# Altium PCB PCB1.PcbDoc (part 2 of 2)
Units mm, origin at the board's own origin, x right, y up, seen from the top; angles counter-clockwise.
Board outline 209.98 x 130 mm, 2 copper layers (Top Layer, Bottom Layer); 182 components, 114 nets, 601 pads, 525 vias.
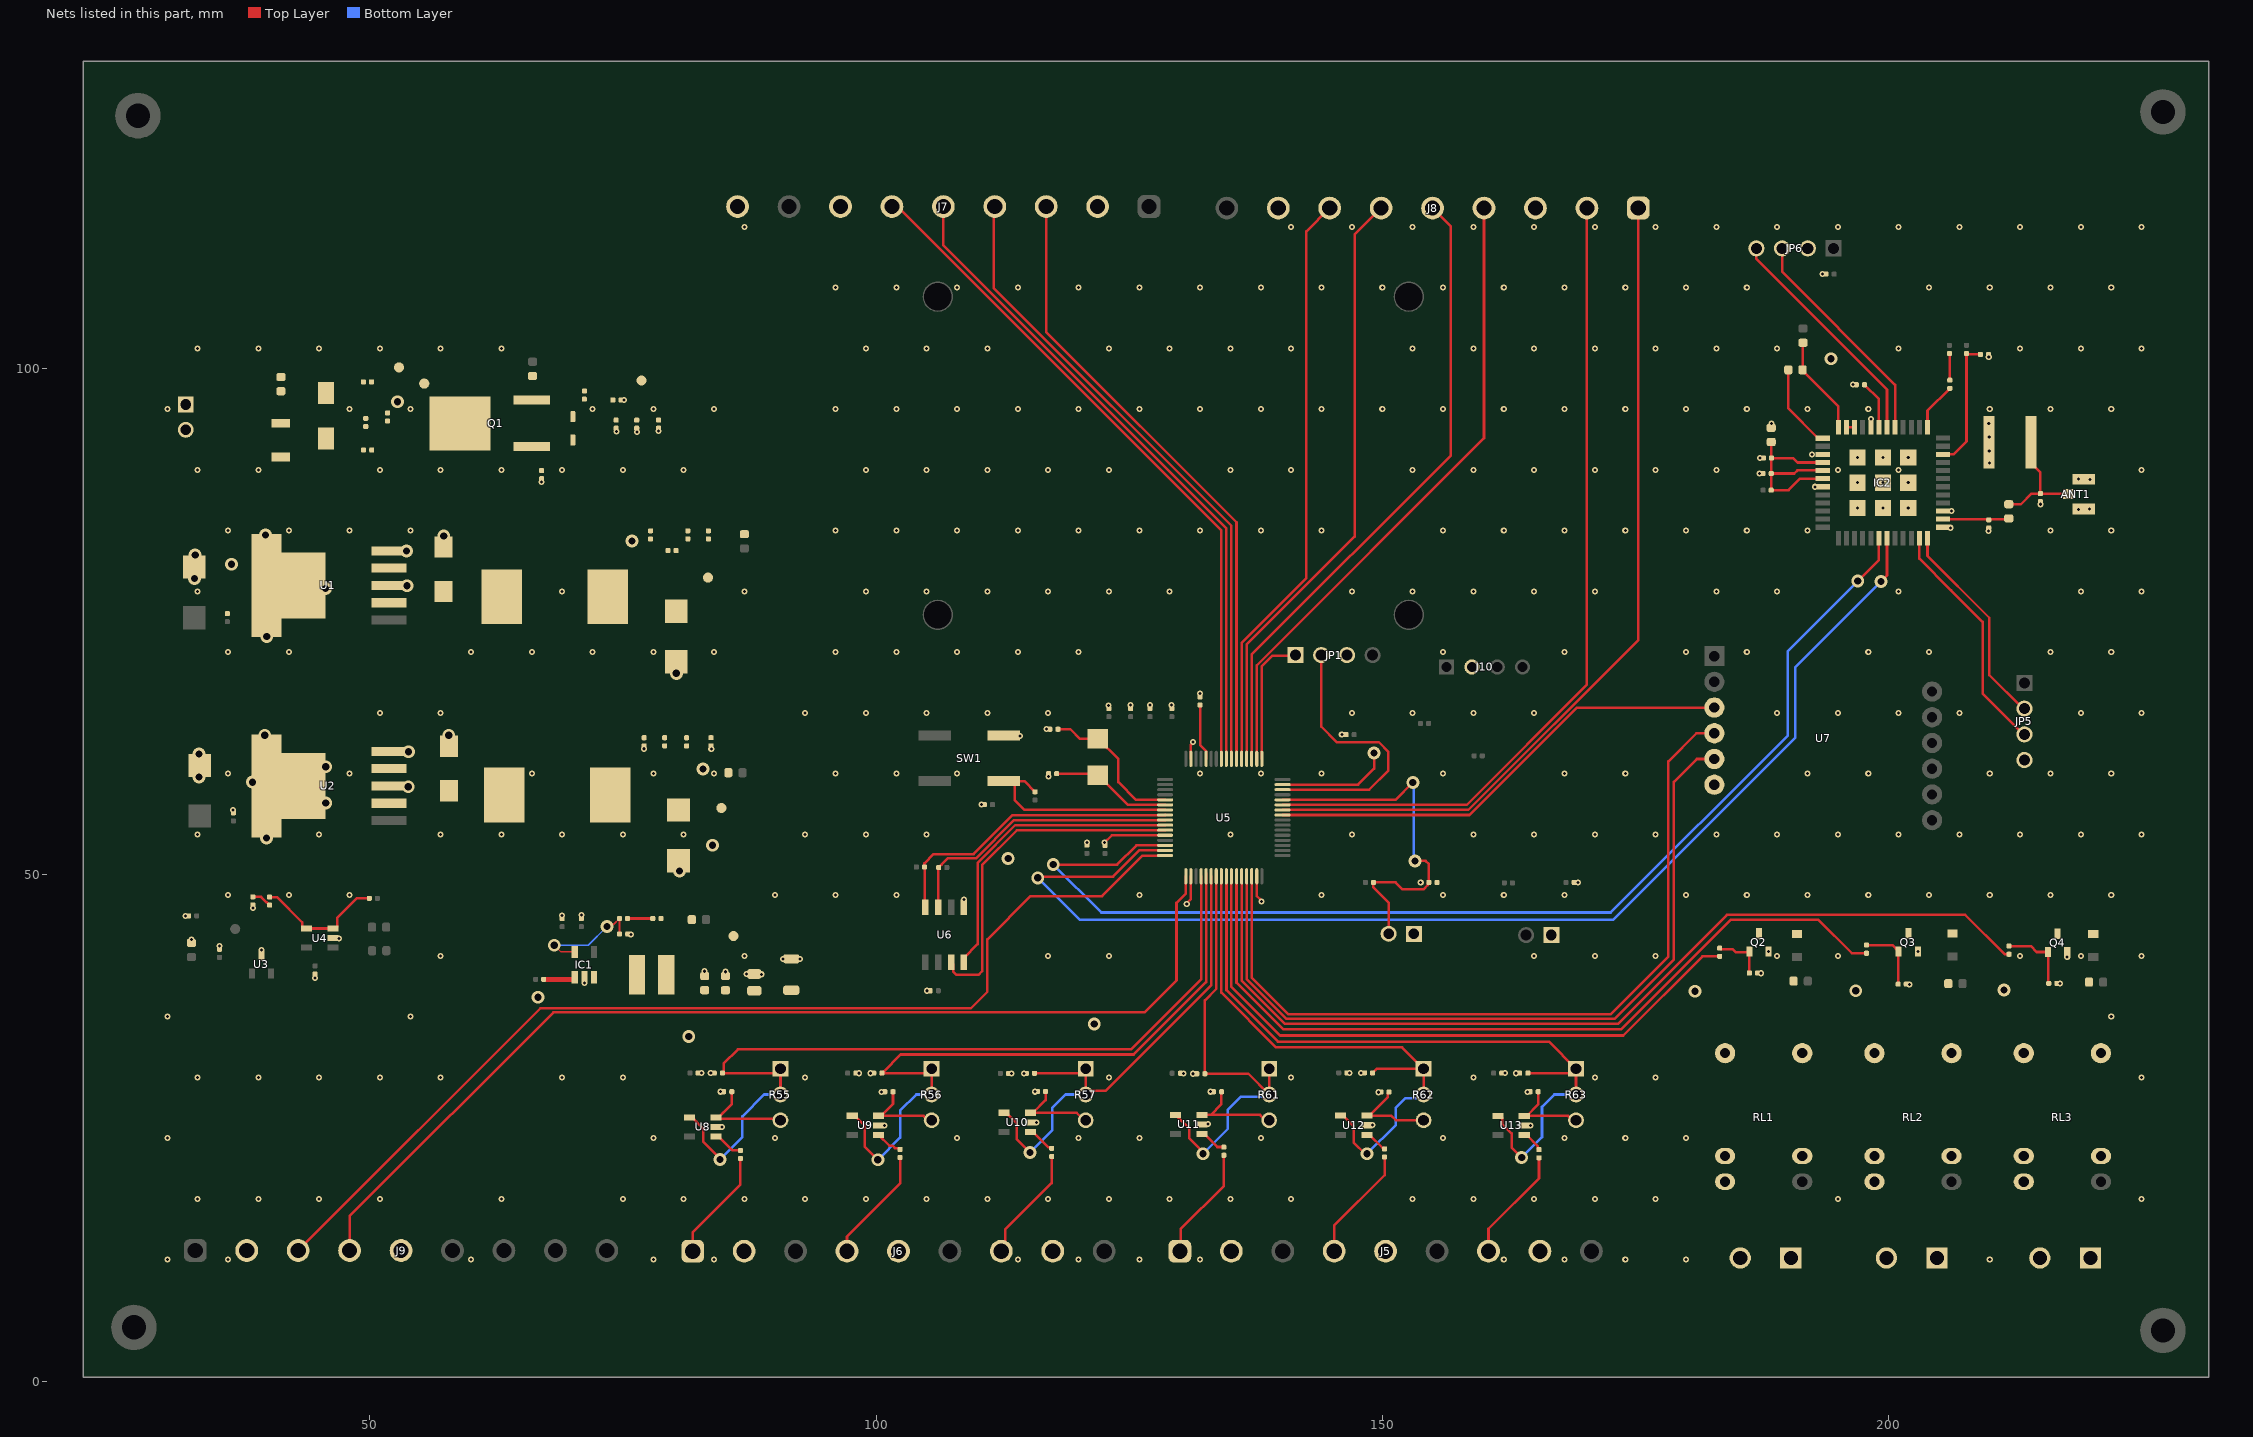
[diagram p2: the nets of this part, all layers, seen from the top]

## Via types
v1: diameter 0.6, hole 0.3, Top Layer to Bottom Layer, 434 vias
v2: diameter 1.27, hole 0.711, Top Layer to Bottom Layer, 91 vias

## Nets (pads, with @x,y where several pads share a name; then routed paths per layer and width w, separated by ;. In a path a pad name is that pad's centre, name@x,y a point inside that pad or via, vN(x,y) a via of type N, cw(c..) or ccw(c..) an arc to the next point about the centre after c; other vN are vias at no path point) (continued)
BUTTON_START: C56.1 J11.2 R51.1 U5.44 | length 36.8
  Top Layer w0.254: U5.44@140.152,57.407 151.307,57.407 153.009,59.109 v2(153.017,59.109) ; J11.2@150.625,44.175 150.625,47.25 149.125,48.75 R51.1@149.125,49.245 149.128,49.247 151.324,49.247 152.002,48.569 154.078,48.569 154.477,48.968 154.477,49.127 C56.1@154.6,49.25 154.6,51.05 154.275,51.375 v2(153.225,51.375)
  Bottom Layer w0.254: v2(153.017,59.109) 153.121,59.005 153.121,51.479 v2(153.225,51.375) v2@153.055,51.205
CONTACTOR1: R27.1 U5.26 | length 64.4
  Top Layer w0.254: U5.26@135.102,49.857 135.102,38.923 139.9,34.125 173.8,34.125 181.627,41.952 R27.1@183.327,41.952
CONTACTOR2: R30.1 U5.27 | length 81.1
  Top Layer w0.254: U5.27@135.602,50.424 135.602,39.348 140.225,34.725 173.6,34.725 184.45,45.575 193.05,45.575 196.373,42.252 R30.1@197.827,42.252
CONTACTOR3: R33.1 U5.28 | length 93.9
  Top Layer w0.254: U5.28@136.102,49.857 136.102,39.573 140.4,35.275 173.275,35.275 184.05,46.05 207.579,46.05 211.461,42.168 211.886,42.168 R33.1@211.902,42.152
GND: ANT1.1 ANT1.3 C2.2 C3.2 C4.2 C5.2 C6.1 C7.2 C8.1 C9.2 C10.1 C11.2 C12.1 C13.2 C14.1 C15.2 C16.2 C17.2 C18.2 C19.2 C20.2 C21.2 C22.2 C23.2 C24.2 C25.1 C26.1 C27.1 C28.2 C29.2 C30.2 C31.2 C32.2 C33.2 C34.2 C36.2 C37.2 C40.2 C41.2 C42.2 C43.2 C44.1 C45.1 C46.1 C47.1 C48.1 C49.1 C50.1 C51.1 C52.1 C53.1 C54.1 C55.1 C56.2 C57.2 D3.2 D4.1 D5.1 FB2.2 GDT1.1 IC1.2 IC2.3 IC2.7 IC2.25 IC2.27 IC2.44 IC2.49 IC2.50 IC2.51 IC2.52 IC2.53 IC2.54 IC2.55 IC2.56 IC2.57 J5.2 J5.5 J5.8 J6.2 J6.5 J6.8 J7.2 J7.7 J7.9 J8.3 J8.8 J9.2 J9.5 J10.2 J11.1 J12.1 JP1.3 JP5.4 JP6.2 Q2.2 Q3.2 Q4.2 R3.1 R10.2 R11.2 R19.1 R21.1 R22.1 R28.1 R31.1 R34.1 R36.2 R40.1 R41.2 R53.2 R54.2 R58.2 R59.2 R60.2 SW1.B T3.1 U1.3 U1.5 U2. U2.3 U2.5 U3.3 U4.2 U5.12 U5.18 U5.31 U5.47 U5.63 U6.5 U7.6 U8.2 U9.2 U10.2 U11.2 U12.2 U13.2 | length 24.9
  Top Layer w0.254: v1(122.575,53.175) 123.307,53.907 U5.12@128.552,53.907 ; v1(130.686,47.123) 130.686,47.217 131.102,47.633 U5.18@131.102,49.857 ; U5.63@131.102,61.457 131.102,62.833 131.3,63.031 v1(131.3,63.125) ; U5.31@137.602,49.857 137.602,47.89 138.05,47.442 v1(138.05,47.375) ; U5.47@140.152,58.907 147.613,58.907 149.203,60.497 149.203,62.019 v2(149.191,62.031)
  other v1: 30,12 36,12 60,12 78,12 84,12 114,12 120,12 126,12 132,12 162,12 168,12 174,12 180,12 210,12 33,18 39,18 45,18 51,18 63,18 75,18 81,18 87,18 93,18 99,18 105,18 111,18 117,18 123,18 129,18 135,18 141,18 153,18 159,18 165,18 171,18 177,18 195,18 225,18 30,24 78,24 90,24 108,24 120,24 126,24 138,24 156,24 168,24 174,24 180,24 84.8,25.075 100.85,25.25 164.625,25.25 149.05,25.275 132.775,25.375 115.825,25.55 149.625,28.525 100.55,28.55 164.325,28.55 84.65,28.575 115.7,28.575 133.05,28.575 33,30 39,30 45,30 51,30 57,30 69,30 75,30 93,30 123,30 141,30 159,30 171,30 177,30 225,30 131.3,30.35 113.375,30.375 114.6,30.375 130.35,30.375 98.325,30.4 99.45,30.4 163.225,30.4 82.75,30.425 83.675,30.425 146.775,30.425 147.9,30.425 162.125,30.425 30,36 54,36 222,36 105.025,38.55 202.05,39.175 216.95,39.25 71.194,39.3 44.6,39.825 88.675,40.175 87.2,40.2 187.4,40.275 85.15,40.425 83.05,40.475 92.5,41.675 90.8,41.7 217.65,41.9 57,42 87,42 117,42 123,42 165,42 171,42 177,42 189,42 195,42 213,42 219,42 225,42 188.152,42.428 202.905,42.428 39.3,42.575 35.15,42.95 32.375,43.625 46.975,43.725 75.775,44.1 31.8,45.925 69,46 70.9,46.025 38.475,46.725 108.675,47.575 36,48 42,48 48,48 90,48 96,48 102,48 126,48 144,48 156,48 162,48 168,48 180,48 186,48 192,48 198,48 204,48 210,48 216,48 222,48 153.796,49.25 169.35,49.25 120.825,53.2 33,54 45,54 57,54 63,54 69,54 75,54 81,54 93,54 99,54 105,54 135,54 147,54 159,54 165,54 171,54 177,54 183,54 189,54 195,54 201,54 207,54 213,54 219,54 225,54 36.5,56.4 110.4,56.925 117.05,59.725 36,60 48,60 66,60 78,60 84,60 96,60 102,60 108,60 132,60 138,60 144,60 156,60 168,60 174,60 192,60 198,60 210,60 216,60 222,60 83.725,62.425 77.1,62.45 114.2,63.725 146,63.875 116.825,64.4 51,66 57,66 93,66 99,66 105,66 111,66 117,66 147,66 153,66 159,66 165,66 189,66 195,66 201,66 207,66 219,66 225,66 122.975,66.725 125.15,66.75 127.075,66.75 129.2,66.75 131.975,67.9 36,72 42,72 60,72 66,72 72,72 78,72 84,72 96,72 102,72 108,72 114,72 120,72 156,72 168,72 180,72 186,72 198,72 204,72 216,72 222,72 33,78 69,78 87,78 99,78 105,78 111,78 117,78 123,78 129,78 147,78 153,78 159,78 165,78 171,78 183,78 189,78 201,78 219,78 225,78 209.875,83.975 36,84 42,84 48,84 54,84 96,84 102,84 108,84 114,84 120,84 126,84 132,84 138,84 144,84 156,84 162,84 168,84 174,84 180,84 186,84 192,84 216,84 222,84 206.125,84.275 206.2,85.925 218.775,86.075 219.85,86.125 196.95,86.225 199.45,86.225 201.95,86.225 215,86.6 192.725,88.325 196.95,88.725 199.45,88.725 201.95,88.725 66.975,88.8 219.9,89.025 218.775,89.075 187.25,89.625 33,90 39,90 51,90 57,90 63,90 69,90 75,90 81,90 99,90 105,90 111,90 117,90 123,90 135,90 141,90 153,90 159,90 165,90 171,90 177,90 183,90 195,90 201,90 225,90 209.975,90.675 187.3,91.175 196.95,91.225 199.45,91.225 201.95,91.225 192.425,91.525 209.95,91.85 209.95,93.225 76.375,93.75 74.35,93.8 78.525,93.825 188.45,94.575 209.9,94.575 198.25,95 30,96 48,96 54,96 72,96 78,96 84,96 96,96 102,96 108,96 114,96 120,96 126,96 132,96 138,96 144,96 150,96 156,96 162,96 168,96 174,96 180,96 186,96 192,96 198,96 210,96 216,96 222,96 75.125,96.9 196.5,98.425 209.9,101.125 33,102 39,102 45,102 51,102 57,102 63,102 99,102 105,102 111,102 123,102 129,102 135,102 141,102 153,102 159,102 165,102 171,102 177,102 183,102 189,102 201,102 213,102 219,102 225,102 96,108 102,108 108,108 114,108 120,108 126,108 132,108 138,108 144,108 150,108 156,108 162,108 168,108 174,108 180,108 186,108 204,108 210,108 216,108 222,108 193.475,109.35 87,114 141,114 147,114 153,114 159,114 165,114 171,114 177,114 183,114 189,114 195,114 201,114 207,114 213,114 219,114 225,114
  other v2: 81.5,34.025 121.55,35.275 66.602,37.906 180.9,38.5 196.76,38.543 211.416,38.616 80.6,50.375 113.05,51.6 83.848,52.918 39.8,53.625 45.65,57.1 53.8,58.7 38.4,59.15 33.125,59.65 82.896,60.46 45.65,60.675 33.125,61.925 53.825,62.15 39.625,63.775 57.8,63.775 80.275,69.9 39.825,73.525 45.625,78.275 53.675,78.55 32.675,79.275 36.344,80.668 32.75,81.6 53.625,81.975 75.905,82.981 57.3,83.45 39.7,83.55 52.725,96.73 194.318,100.969
IN+: F1.2 J1.2 MOV1.1
IN-: C1.2 D2.2 FB2.1 J1.1 MOV1.2 | length 0.1
  Top Layer w0.254: MOV1.2@41.167,99.161 MOV1.2@41.217,99.161 MOV1.2@41.267,99.161
LORA_RST: IC2.34 R39.1 R41.1 | length 12.9
  Top Layer w0.254: IC2.34@205.394,91.525 206.425,91.525 207.7,92.8 R39.1@207.7,101.5 ; R39.1@207.7,101.425 209.05,101.425 R41.1@209.075,101.4
LORA_RX4: IC2.19 U5.15 | length 121.1
  Top Layer w0.254: v2(115.976,49.699) 116.101,49.825 123.4,49.825 125.982,52.407 U5.15@128.552,52.407 ; v2(199.244,78.959) 199.85,79.565 IC2.19@199.85,83.239
  Bottom Layer w0.254: v2(115.976,49.699) 120.1,45.575 172.825,45.575 190.775,63.525 190.775,70.49 v2(199.244,78.959)
LORA_TX4: IC2.18 U5.14 | length 116.8
  Top Layer w0.254: v2(117.5,51.025) 117.525,51 123.8,51 125.707,52.907 U5.14@128.552,52.907 ; v2(196.967,79.009) 199.05,81.092 IC2.18@199.05,83.239
  Bottom Layer w0.254: v2(117.5,51.025) 122.25,46.275 172.55,46.275 190.051,63.776 190.051,72.093 v2(196.967,79.009)
NetANT1_2: ANT1.2 C37.1 GDT1.2 R35.2 | length 11.8
  Top Layer w0.254: R35.2@211.875,86.6 213.071,86.6 214.121,87.65 C37.1@215,87.65 ; GDT1.2@214.07,92.724 214.07,90.654 215,89.724 C37.1@215,87.65 ; ANT1.2@217.75,87.6 217.7,87.65 C37.1@215,87.65
NetC1_1: C1.1 D2.1 F1.1 FB1.1 | length 0.3
  Top Layer w0.254: D2.1@45.675,92.8 D2.1@45.675,93.1
NetC2_1: C2.1 FB1.2 Q1.2 T1.1
NetC3_1: C3.1 C4.1 C5.1 D1.1 Q1.3 R1.1 R2.2 T2.1
NetC6_2: C6.2 C7.1 L1.2 R4.1 R6.2 R7.2 T4.1 | length 0
  Top Layer w0.254: T4.1@83.4,79.35 T4.1@83.421,79.371
NetC8_2: C8.2 C9.1 L2.2 R5.1 R8.2 R9.2 T5.1
NetC18_1: C18.1 C19.1 C20.1 C21.1 L3.2 R15.1 R17.2 T7.1
NetC23_1: C23.1 R16.1 | length 2
  Top Layer w0.254: C23.1@38.45,47.825 39.256,47.825 39.808,47.273 39.827,47.273 R16.1@40.1,47
NetC36_1: C36.1 IC2.26 R35.1 | length 6.5
  Top Layer w0.254: IC2.26@205.394,85.125 R35.1@211.875,85.125
NetC40_1: C40.1 C41.1 C42.1 FB4.2 IC2.4 IC2.5 IC2.6 | length 20.7
  Top Layer w0.254: C41.1@188.413,91.309 C42.1@188.413,92.749 ; IC2.6@193.506,89.125 191.275,89.125 190.138,87.988 FB4.2@188.415,87.988 C40.1@188.415,89.639 ; IC2.5@193.506,89.925 193.481,89.95 191,89.95 190.689,89.639 C40.1@188.415,89.639 ; IC2.4@193.506,90.725 191.025,90.725 190.588,91.163 C41.1@188.434,91.163 188.424,91.153 188.424,89.648 C40.1@188.415,89.639
NetD1_2: D1.2 Q1.1 R3.2
NetD3_1: D3.1 R2.1
NetD4_2: D4.2 L1.1 U1.2
NetD5_2: D5.2 L2.1 U2.2
NetD6_2: D6.2 Q2.3 RL1.8
NetD7_2: D7.2 Q3.3 RL2.8
NetD8_2: D8.2 Q4.3 RL3.8
NetD9_2: D9.2 R42.2 | length 2.7
  Top Layer w0.254: D9.2@206.009,101.488 206.03,101.468 206.03,98.87 R42.2@206.05,98.85
NetIC1_1: IC1.1 R18.2 | length 3.2
  Top Layer w0.15: IC1.1@70.026,39.675 IC1.1@70.24,39.889
  Top Layer w0.5: R18.2@67.175,39.675 IC1.1@70.026,39.675
NetIC1_3: IC1.3 L3.1
NetIC1_5: IC1.5 R20.1 R21.2 | length 11.4
  Top Layer w0.15: v2(68.218,43.045) 68.874,42.389 IC1.5@70.24,42.389 ; v2(73.425,44.9) 73.639,45.114 74.093,45.114 R20.1@74.661,45.682 74.661,44.164 R21.2@74.675,44.15
  Bottom Layer w0.15: v2(68.218,43.045) 71.57,43.045 v2(73.425,44.9)
NetIC2_1: IC2.1 R38.2 | length 8.4
  Top Layer w0.254: R38.2@190.1,99.875 190.1,96.076 193.056,93.119 IC2.1@193.506,93.119
NetIC2_37: IC2.37 R42.1 | length 4.8
  Top Layer w0.254: IC2.37@203.85,94.211 203.85,95.85 R42.1@206.05,98.05
NetIC2_43: IC2.43 R40.2 | length 4.8
  Top Layer w0.254: R40.2@197.625,98.4 199.05,96.975 IC2.43@199.05,94.211
NetIC2_48: IC2.48 R37.1 R38.1 | length 9.8
  Top Layer w0.254: R37.1@191.55,102.55 191.525,102.525 191.525,99.9 R38.1@191.5,99.875 191.5,99.825 195.056,96.269 IC2.48@195.056,94.211
NetJ2_1: J2.1 RL1.3
NetJ2_2: J2.2 RL1.5
NetJ3_1: J3.1 RL2.3
NetJ3_2: J3.2 RL2.5
NetJ4_1: J4.1 RL3.3
NetJ4_2: J4.2 RL3.5
NetJP1_1: JP1.1 U5.49 | length 12.9
  Top Layer w0.254: U5.49@138.102,61.457 138.102,70.606 139.134,71.638 141.368,71.638 JP1.1@141.43,71.7
NetJP1_2: JP1.2 U5.46 | length 27.9
  Top Layer w0.254: U5.46@140.152,58.407 140.159,58.4 148.7,58.4 150.6,60.3 150.6,62.15 149.65,63.1 145.5,63.1 143.97,64.63 JP1.2@143.97,71.576 ; JP1.2@143.846,71.576 JP1.2@143.97,71.7
NetQ2_1: Q2.1 R27.2 R28.2 | length 5.4
  Top Layer w0.254: R27.2@183.352,42.752 183.352,42.743 183.45,42.645 184.619,42.645 184.894,42.37 186.079,42.37 186.079,42.406 186.252,42.579 186.252,42.152 R28.2@186.252,40.302
NetQ3_1: Q3.1 R30.2 R31.2 | length 6.7
  Top Layer w0.254: R30.2@197.827,43.052 200.381,43.052 Q3.1@201.005,42.428 200.979,42.401 200.979,39.229 R31.2@200.952,39.202 R31.2@200.916,39.238
NetQ4_1: Q4.1 R33.2 R34.2 | length 7.2
  Top Layer w0.254: R33.2@211.902,42.952 214.053,42.952 214.63,42.375 Q4.1@215.75,42.375 215.788,42.338 215.788,39.312 R34.2@215.825,39.275
NetR6_1: R6.1 R7.1 R10.1 U1.4
NetR8_1: R8.1 R9.1 R11.1 U2.4
NetR14_1: R14.1 R16.2 U4.3 U4.4 | length 13.1
  Top Layer w0.254: R16.2@40.1,47.8 40.819,47.8 43.327,45.292 43.327,44.873 43.5,44.7 U4.4@43.75,44.7 U4.3@46.35,44.7 46.6,44.7 46.773,44.873 46.773,45.748 47.625,46.6 48.7,47.675 R14.1@49.95,47.675
NetR17_1: R17.1 R20.2 | length 2.5
  Top Layer w0.254: R20.2@75.461,45.682 R17.1@77.944,45.682
NetR22_2: R22.2 U5.60 | length 5.6
  Top Layer w0.254: R22.2@132,66.775 132,62.813 132.593,62.22 132.593,61.466 U5.60@132.602,61.457
NetR23_1: R23.1 SW1.A U5.7 | length 20.7
  Top Layer w0.254: SW1.A@112.606,59.249 SW1.A@113.706,59.249 ; R23.1@115.7,58.2 114.651,59.249 SW1.A@113.706,59.249 ; U5.7@128.552,56.407 114.643,56.407 113.706,57.344 SW1.A@113.706,59.249
NetR24_2: R24.2 RL1.1
NetR29_2: R29.2 RL2.1
NetR32_2: R32.2 RL3.1
NetR36_1: R36.1 R55.3 U8.3 | length 9.8
  Top Layer w0.254: R36.1@85.75,28.575 85.75,27.355 84.876,26.48 84.438,26.043 U8.3@84.188,26.043 84.329,25.901 90.419,25.901 R55.3@90.56,25.76
NetR43_1: R43.1 U8.1 | length 3
  Top Layer w0.254: U8.1@84.188,24.143 84.438,24.143 85.806,22.775 R43.1@86.6,22.775
NetR44_1: R44.1 U9.1 | length 2.7
  Top Layer w0.254: U9.1@100.25,24.3 101.305,23.245 101.617,23.245 101.864,22.998 102.252,22.998 R44.1@102.375,22.875
NetR45_1: R45.1 U10.1 | length 2.8
  Top Layer w0.254: U10.1@115.25,24.6 115.5,24.6 117.002,23.098 117.227,23.098 R45.1@117.35,22.975
NetR46_1: R46.1 U11.1 | length 2.7
  Top Layer w0.254: U11.1@132.191,24.393 132.441,24.393 133.719,23.115 134.335,23.115 R46.1@134.35,23.1
NetR47_1: R47.1 U12.1 | length 2.3
  Top Layer w0.254: U12.1@148.477,24.318 148.727,24.318 149.997,23.048 150.102,23.048 R47.1@150.225,22.925
NetR48_1: R48.1 U13.1 | length 2.2
  Top Layer w0.254: U13.1@164.019,24.293 164.269,24.293 165.352,23.21 165.352,22.973 R48.1@165.475,22.85
NetR53_1: R53.1 R56.3 U9.3 | length 8.3
  Top Layer w0.254: U9.3@100.25,26.2 U9.3@100.5,26.2 ; R53.1@101.675,28.575 101.675,27.375 U9.3@100.5,26.2 ; R56.3@105.485,25.76 105.134,25.76 104.694,26.2 U9.3@100.5,26.2
NetR54_1: R54.1 R57.3 U10.3 | length 8.4
  Top Layer w0.254: U10.3@115.25,26.5 U10.3@115.5,26.5 ; R54.1@116.75,28.6 116.75,27.75 U10.3@115.5,26.5 ; R57.3@120.702,25.76 120.547,25.76 119.807,26.5 U10.3@115.5,26.5
NetR58_1: R58.1 R61.3 U11.3 | length 9.6
  Top Layer w0.254: U11.3@132.191,26.293 132.441,26.293 133.068,26.293 ; R58.1@134.125,28.575 134.092,28.542 134.092,27.317 133.068,26.293 ; R61.3@138.825,25.76 138.474,25.76 137.942,26.293 133.068,26.293
NetR59_1: R59.1 R62.3 U12.3 | length 8.9
  Top Layer w0.254: U12.3@148.477,26.218 U12.3@148.727,26.218 ; R59.1@150.675,28.55 150.552,28.427 150.552,28.043 U12.3@148.727,26.218 ; R62.3@154.075,25.76 151.33,25.76 150.873,26.218 U12.3@148.727,26.218
NetR60_1: R60.1 R63.3 U13.3 | length 8.1
  Top Layer w0.254: U13.3@164.019,26.193 U13.3@164.269,26.193 ; R60.1@165.4,28.575 165.4,27.324 U13.3@164.269,26.193 ; R63.3@169.135,25.76 168.784,25.76 168.352,26.193 U13.3@164.269,26.193
OPTIONAL: IC2.46 IC2.47 | length 0.8
  Top Layer w0.254: IC2.47@195.85,94.211 IC2.46@196.65,94.211
OSC_IN: C25.2 U5.5 Y1.2 | length 14.8
  Top Layer w0.254: C25.2@117.975,64.375 119.187,64.375 120.132,63.429 Y1.2@121.906,63.429 121.944,63.429 123.925,61.449 123.925,59.15 125.668,57.407 U5.5@128.552,57.407
OSC_OUT: C26.2 U5.6 Y1.1 | length 12
  Top Layer w0.254: C26.2@117.842,59.988 121.766,59.988 Y1.1@121.906,59.848 121.944,59.848 124.885,56.907 U5.6@128.552,56.907
PH_ADC01: C47.2 R55.1 R55.2 U5.20 U8.4 | length 85.5
  Top Layer w0.254: U8.4@81.588,26.043 81.838,26.043 82.011,25.87 82.011,25.864 82.275,25.6 82.925,24.95 82.925,23.65 84.575,22 v2(84.575,21.875) ; R55.2@90.56,28.3 R55.1@90.56,30.84 90.137,30.417 84.942,30.417 84.942,31.342 86.35,32.75 125.175,32.75 132.102,39.677 132.102,46.853 132.12,46.871 132.12,48.047 132.102,48.065 U5.20@132.102,49.857
  Bottom Layer w0.254: v2(84.575,21.875) 86.8,24.1 86.8,26.15 88.95,28.3 R55.2@90.56,28.3
PH_ADC01_IN: J6.1 R43.2 | length 11.1
  Top Layer w0.254: J6.1@81.893,12.825 81.893,14.693 86.6,19.4 R43.2@86.6,21.975
PH_ADC02: C48.2 R56.1 R56.2 U5.21 U9.4 | length 69.2
  Top Layer w0.254: U9.4@97.65,26.2 97.9,26.2 98.9,25.2 98.9,23.125 v2(100.175,21.85) ; C48.2@100.45,30.297 C48.2@100.573,30.42 105.065,30.42 R56.1@105.485,30.84 R56.2@105.485,28.3 ; C48.2@100.718,30.543 102.425,32.25 125.45,32.25 132.604,39.404 132.604,50.133 U5.21@132.602,50.135
  Bottom Layer w0.254: v2(100.175,21.85) 102.375,24.05 102.375,26.7 103.975,28.3 R56.2@105.485,28.3
PH_ADC02_IN: J6.4 R44.2 | length 11.4
  Top Layer w0.254: J6.4@97.133,12.825 97.133,14.277 102.375,19.519 R44.2@102.375,22.075
PH_ADC03: C49.2 R57.1 R57.2 U5.22 U10.4 | length 49.6
  Top Layer w0.254: U10.4@112.65,26.5 112.9,26.5 113.073,26.327 113.073,26.257 113.9,25.43 113.9,23.873 v2(115.206,22.567) ; C49.2@115.648,30.395 120.256,30.395 R57.1@120.702,30.84 120.702,28.652 120.806,28.548 121.301,28.548 121.404,28.652 122.677,28.652 133.1,39.075 U5.22@133.102,49.857 ; R57.2@120.702,28.3 R57.2@120.702,28.548
  Bottom Layer w0.254: v2(115.206,22.567) 117.4,24.761 117.4,26.975 118.725,28.3 R57.2@120.702,28.3
PH_ADC03_IN: J6.7 R45.2 | length 11.4
  Top Layer w0.254: J6.7@112.373,12.825 112.755,13.207 112.755,14.955 117.35,19.55 R45.2@117.35,22.175
PH_ADC04: C53.2 R61.1 R61.2 U5.23 U11.4 | length 44.7
  Top Layer w0.254: U11.4@129.591,26.293 130.95,24.934 130.95,23.964 131.099,23.816 132.28,22.634 v2(132.28,22.449) ; U5.23@133.602,49.857 133.602,38.727 132.475,37.6 C53.2@132.475,30.35 136.775,30.35 R61.2@138.825,28.3 R61.1@138.825,30.84
  Bottom Layer w0.254: v2(132.28,22.449) 134.75,24.918 134.75,26.8 136.033,28.083 138.608,28.083 R61.2@138.825,28.3
PH_ADC04_IN: J5.1 R46.2 | length 11.3
  Top Layer w0.254: J5.1@130.011,12.825 130.075,12.889 130.075,15 134.35,19.275 R46.2@134.35,22.3
PH_ADC05: C54.2 R62.1 R62.2 U5.24 U12.4 | length 56.6
  Top Layer w0.254: U5.24@134.102,49.857 134.1,49.855 134.1,38.375 139.525,32.95 151.965,32.95 R62.1@154.075,30.84 ; U12.4@145.877,26.218 146.127,26.218 146.3,26.045 146.3,26.04 147.2,25.14 147.2,23.524 148.269,22.455 v2(148.498,22.455) ; C54.2@148.923,30.327 C54.2@149.046,30.45 ; C54.2@149.044,30.445 149.44,30.84 R62.1@154.075,30.84 ; R62.2@154.075,28.3 R62.1@154.075,30.84
  Bottom Layer w0.254: v2(148.498,22.455) 151.35,25.307 151.35,27 152.287,27.937 153.361,27.937 153.724,28.3 R62.2@154.075,28.3
PH_ADC05_IN: J5.4 R47.2 | length 11.4
  Top Layer w0.254: J5.4@145.251,12.825 145.251,15.351 150.225,20.325 R47.2@150.225,22.125
PH_ADC06: C55.2 R63.1 R63.2 U5.25 U13.4 | length 71.4
  Top Layer w0.254: U5.25@134.602,49.857 134.611,49.848 134.611,38.614 139.7,33.525 166.45,33.525 R63.1@169.135,30.84 ; U13.4@161.419,26.193 161.669,26.193 161.842,26.02 161.842,25.383 162.775,24.45 162.775,23.075 163.759,22.091 v2(163.766,22.091) ; C55.2@164.373,30.42 168.715,30.42 R63.1@169.135,30.84 ; R63.2@169.135,28.3 R63.1@169.135,30.84
  Bottom Layer w0.254: v2(163.766,22.091) 165.775,24.1 165.775,27.075 167,28.3 R63.2@169.135,28.3
PH_ADC06_IN: J5.7 R48.2 | length 11.3
  Top Layer w0.254: J5.7@160.491,12.825 160.491,15.041 165.475,20.025 R48.2@165.475,22.05
PH_SPI1_CS: J7.3 U5.54 | length 62.3
  Top Layer w0.254: J7.3@116.807,116.002 116.807,103.618 135.602,84.823 U5.54@135.602,61.457
PH_SPI1_MISO: J7.5 U5.56 | length 66.1
  Top Layer w0.254: J7.5@106.647,116.002 106.647,112.178 134.602,84.223 U5.56@134.602,61.457
PH_SPI1_MOSI: J7.6 U5.57 | length 68.3
  Top Layer w0.254: J7.6@101.567,116.002 102.107,116.002 102.64,115.469 102.656,115.469 134.1,84.025 134.1,61.459 U5.57@134.102,61.457
PH_SPI1_SCK: J7.4 U5.55 | length 64.3
  Top Layer w0.254: J7.4@111.727,116.002 111.613,115.888 111.613,107.963 135.1,84.475 135.1,61.459 U5.55@135.102,61.457
PH_SPI3_CS: J8.4 U5.50 | length 63.7
  Top Layer w0.254: U5.50@137.602,61.457 137.602,70.677 160.047,93.122 J8.4@160.047,115.852
PH_SPI3_MISO: J8.6 U5.52 | length 59.9
  Top Layer w0.254: U5.52@136.602,61.457 U5.52@136.602,61.457 136.6,72.725 147.275,83.4 147.275,113.24 J8.6@149.887,115.852
PH_SPI3_MOSI: J8.7 U5.53 | length 58
  Top Layer w0.254: U5.53@136.102,61.457 136.102,72.902 142.508,79.308 142.508,113.553 J8.7@144.807,115.852
PH_SPI3_SCK: J8.5 U5.51 | length 63.3
  Top Layer w0.254: U5.51@137.102,61.457 137.1,61.459 137.1,71.75 156.775,91.425 156.775,114.044 J8.5@154.967,115.852
PH_UART1_RX: J8.2 U5.43 | length 82
  Top Layer w0.254: U5.43@140.152,56.907 140.161,56.916 158.341,56.916 170.207,68.782 J8.2@170.207,115.852
PH_UART1_TX: J8.1 U5.42 | length 84.7
  Top Layer w0.254: U5.42@140.152,56.407 140.161,56.416 158.491,56.416 175.287,73.212 J8.1@175.287,115.852
PH_UART2_RX: J9.4 U5.17 | length 105.4
  Top Layer w0.254: J9.4@48.006,12.893 48.006,16.299 68.123,36.416 126.516,36.416 129.675,39.575 129.675,47.225 130.602,48.152 U5.17@130.602,49.857
PH_UART2_TX: J9.3 U5.16 | length 104.8
  Top Layer w0.254: J9.3@42.926,12.893 66.853,36.82 109.37,36.82 111,38.45 111,43.625 115.275,47.9 122.325,47.9 126.325,51.9 128.545,51.9 U5.16@128.552,51.907
RTC_INT/SQW: U5.11 U6.3 | length 34.1
  Top Layer w0.254: U6.3@107.41,41.363 107.608,41.165 107.608,40.467 107.95,40.125 110.125,40.125 110.475,40.475 110.475,50.975 113.9,54.4 128.545,54.4 U5.11@128.552,54.407
RTC_RST: U5.10 U6.4 | length 30.4
  Top Layer w0.254: U6.4@108.68,41.363 108.68,41.8 110.025,43.145 110.025,51.175 113.75,54.9 128.545,54.9 U5.10@128.552,54.907
RTC_SCL: R25.1 U5.8 U6.8 | length 30.1
  Top Layer w0.254: U6.8@104.87,46.787 104.823,46.834 104.823,50.726 R25.1@104.776,50.773 104.776,51.137 105.687,52.048 109.623,52.048 113.475,55.9 128.545,55.9 U5.8@128.552,55.907
RTC_SDA: R26.1 U5.9 U6.7 | length 28.3
  Top Layer w0.254: U6.7@106.14,46.787 106.164,46.811 106.164,50.7 R26.1@106.188,50.724 106.461,50.997 106.461,51.016 107.07,51.625 109.85,51.625 113.632,55.407 U5.9@128.552,55.407
RX_Debug_Lora: IC2.23 JP5.3 | length 23.7
  Top Layer w0.254: IC2.23@203.05,83.239 203.05,81.225 206.186,78.089 209.3,74.975 209.3,67.9 213.325,63.875 JP5.3@213.425,63.875
SIM_RST: U5.41 U7.3 | length 47
  Top Layer w0.254: U5.41@140.152,55.907 158.607,55.907 169.22,66.52 U7.3@182.8,66.52
SIM_RX3: U5.30 U7.4 | length 80
  Top Layer w0.254: U5.30@137.102,49.857 137.102,39.873 140.75,36.225 172.525,36.225 178.25,41.95 178.25,61.2 181.03,63.98 U7.4@182.8,63.98
SIM_TX3: U5.29 U7.5 | length 78.9
  Top Layer w0.254: U5.29@136.602,49.857 136.602,39.723 140.55,35.775 172.95,35.775 178.8,41.625 178.8,59.175 181.065,61.44 U7.5@182.8,61.44
SWCLK_Lora: IC2.42 JP6.4 | length 23
  Top Layer w0.254: JP6.4@186.945,111.875 186.945,110.83 199.85,97.925 IC2.42@199.85,94.211
SWDIO_Lora: IC2.41 JP6.3 | length 22.3
  Top Layer w0.254: JP6.3@189.485,111.875 189.485,109.565 200.65,98.4 IC2.41@200.65,94.211
TX_Debug_Lora: IC2.24 JP5.2 | length 20.9
  Top Layer w0.254: IC2.24@203.85,83.239 203.85,81.49 209.95,75.39 209.95,69.725 213.26,66.415 JP5.2@213.425,66.415
pads on no net: IC2.2 IC2.8 IC2.9 IC2.10 IC2.11 IC2.12 IC2.13 IC2.14 IC2.15 IC2.16 IC2.17 IC2.20 IC2.21 IC2.22 IC2.28 IC2.29 IC2.30 IC2.31 IC2.33 IC2.35 IC2.36 IC2.38 IC2.39 IC2.40 IC2.45 RL1.7 RL2.7 RL3.7 SW1.A' SW1.B' U5.2 U5.3 U5.4 U5.33 U5.34 U5.35 U5.36 U5.37 U5.38 U5.39 U5.40 U5.61 U5.62 U6.1 U6.6 U7.1 U7.7 U7.8 U7.9 U7.10 U7.11 U7.12

## Polygon pours and split planes (outlines as drawn)
GND on Top Layer "GND_L01_P072" (solid, pour order 72): 21.875,130.375 21.888,130.362 231.637,130.362 231.637,0.388 231.65,0.375 21.7,0.375
NetD1_2 on Top Layer "NETD1_2_L01_P025" (solid, pour order 25): 64.125,92.75 64.125,91.675 64.4,91.4 66.446,91.4 66.703,91.146 66.725,89.675 67.225,89.675 67.225,91.15 67.475,91.4 69.694,91.4 70.618,92.231 70.618,93.182 70.4,93.4 70.25,93.55 69.8,93.55 69.725,93.475 69.725,93.125 69.425,92.825 64.2,92.825
NetC3_1 on Top Layer "NETC3_1_L01_P013" (solid, pour order 13): 65.575,99.675 65.6,99.7 66.725,99.7 66.725,98.641 71.213,98.563 71.925,99.275 77,99.275 77,98.375 72.55,98.375 71.7,97.525 70.775,97.525 70.3,97.05 70.3,95.275 70.425,95.15 70.525,95.15 79.075,95.15 79.075,94.7 69.875,94.7 69.8,94.775 69.8,96.425 68.8,97.425 67.775,97.425 67.775,96.475 67.675,96.475 64.175,96.475 64.175,98.225 65.516,98.641 65.516,99.641 65.6,99.725
+VCC_12V on Top Layer "+VCC_12V_L01_P014" (solid, pour order 14): 65.65,100.268 65.2,100.268 65.2,103.043 65.507,103.443 87.375,103.443 88.075,102.818 88.075,86.243 87.375,85.418 33.393,85.418 30.983,83.008 30.983,76.618 33.825,76.618 35.286,75.275 36.175,75.275 36.312,75.138 36.312,74.537 35.993,74.218 30.983,74.218 30.983,72.46 33.668,69.775 46.35,69.775 50.1,73.525 50.1,75.643 53.7,75.643 53.7,71.975 47.575,65.85 32.075,65.85 30.983,64.758 30.983,56.9 34.3,56.9 36.239,55.575 36.775,55.575 36.775,55.075 36.325,54.625 34.3,54.625 30.983,54.625 30.983,53.692 32.25,52.425 48.925,52.425 50.1,53.6 50.1,55.85 53.7,55.85 53.7,52.425 65.075,52.425 65.9,51.6 65.9,50.325 65.15,49.575 33.507,49.575 30.983,47.051 26.374,47.051 24.1,49.325 24.1,83.205 28.894,87.999 84.25,87.968 85.025,88.743 85.025,100.168 84.4,100.818 68.132,100.818 67.6,100.268
GND on Top Layer "GND_L01_P012" (solid, remove dead copper, pour order 12): 49.925,99.778 49.925,98.45 50.525,98.45 51.425,97.55 51.425,95.375 52,95.375 52,96.175 52.165,96.375 53.1,96.375 53.1,99.9 52.664,100.34 50.525,100.378
GND on Top Layer "GND_L01_P019" (solid, pour order 19): 75.85,83.475 78,83.475 79.15,82.325 79.7,82.325 79.7,81.675 79.275,81.675 77.5,81.675 77.125,82.425 75.85,82.425 75.85,83.325
+VCC_3.8V on Top Layer "+VCC_3.8V_L01_P062" (solid, pour order 62): 86.425,60.6 87.225,60.6 87.225,49.6 84.65,47.025 73.275,47.025 72.45,46.2 72.45,41.8 71.85,41.8 71.85,44.25 71.475,44.625 67.325,44.625 66.625,43.925 66.625,39.425 66.125,39.425 66.125,44.275 66.975,45.125 71.025,45.125 71.396,45.125 71.829,45.554 71.843,47.343 72.682,48.175 83.8,48.175 86.425,50.8
no net on Top Layer "NONET_L01_P068" (solid, pour order 68): 21.875,130.375 231.625,130.375 231.65,130.35
+VCC_5V on Top Layer "+VCC_5V_L01_P023" (solid, pour order 23): 49.8,38.95 50.325,38.425 50.325,36.875 50.325,35.9 49.25,34.825 38.512,34.825 35.569,31.888 35.527,12.375 34.65,11.5 31.75,11.5 31.3,11.95 31.3,13.825 31.8,14.325 33.75,14.325 33.75,33 37.275,36.525 45.475,36.525 45.475,39.275 45.475,40.125 44.875,40.725 44.425,40.725 44.15,41 44.15,41.45 43.175,42.425 43.175,43.1 44.225,43.1 48.375,38.95
+VCC_5V on Top Layer "+VCC_5V_L01_P059" (solid, pour order 59): 72.549,8.526 172.923,8.526 172.923,10.599 172.274,11.248 172.274,13.651 171.774,14.151 169.374,14.151 168.874,13.651 168.874,11.251 168.223,10.599 157.875,10.6 157.1,11.375 157.1,13.525 156.474,14.151 154.324,14.151 153.549,13.376 153.549,11.226 152.924,10.6 142.348,10.601 141.74,11.2 141.702,13.624 141.166,14.151 139.099,14.151 138.524,13.576 138.524,11.201 137.924,10.6 124.974,10.601 124.049,11.525 124.049,13.476 123.474,14.051 121.524,14.051 120.924,13.451 120.924,11.301 120.225,10.601 109.974,10.601 108.924,11.65 108.924,13.501 108.274,14.151 106.274,14.151 105.449,13.326 105.449,11.276 104.774,10.601 94.624,10.601 93.774,11.451 93.774,13.251 92.874,14.151 91.074,14.151 90.224,13.301 90.224,11.501 89.324,10.6 76.242,10.606 75.65,11.199 75.65,13.425 73.722,15.353 71.496,15.353 69.875,16.974 69.875,26.45 66.875,29.45 62.6,29.45 62.05,28.9 62.05,27.025 63.425,25.65 65.003,25.65 66.175,24.478 66.175,11.025 68.674,8.526
NetJ4_2 on Top Layer "NETJ4_2_L01_P039" (solid, pour order 39): 211.825,20.8 214.9,20.8 216.333,19.367 216.333,14.892 217.225,14 217.225,9.076 216.333,8.183 211.825,8.179
NetR8_1 on Top Layer "NETR8_1_L01_P051" (solid, pour order 51): 50.15,61.1 58.95,61.1 59.15,61.3 59.15,63.35 61,65.2 83.45,65.2 83.95,64.7 83.95,63.3 82.718,63.3 81.701,62.5 78.9,62.5 78.9,62.975 81.575,62.975 81.925,63.25 81.925,64.175 77.369,64.175 61.875,64.175 60.55,62.85 60.55,60.825 59.575,59.85 50.15,59.85
NetC18_1 on Top Layer "NETC18_1_L01_P064" (solid, pour order 64): 80.056,43.125 80.056,44.381 79.425,45.434 78.5,45.434 78.5,45.925 79.425,45.925 79.725,46.05 82.188,46.05 82.19,45.925 82.215,44.548 82.75,44.024 86.162,44.024 86.1,43.65 82.184,43.65 81.75,43.65 81.249,43.149 81.249,39.626 81.875,39 92.4,39 92.4,38.2 81.473,38.2 78.475,38.2 78.475,42.1
NetIC1_3 on Top Layer "NETIC1_3_L01_P063" (solid, pour order 63): 73.15,40.475 71.85,40.475 71.825,40.45 71.825,39.3 74.475,39.3 75.575,38.2 77.2,38.2 77.2,42.1 75.625,42.1
NetC6_2 on Top Layer "NETC6_2_L01_P018" (solid, pour order 18): 71.525,80.2 75.5,80.2 78.475,77.225 79.175,77.225 79.175,80.95 80,81.775 80,82.225 81.25,83.475 83.675,83.475 83.975,83.475 84.575,84.075 87.45,84.075 87.45,83.225 84.775,83.225 84.353,82.803 83.875,82.803 83.875,79.325 83.003,79.325 83.003,82.803 81.878,82.803 81.425,82.35 81.425,79.6 81.425,74.9 79.125,74.9 78.95,74.725 71.525,74.725
NetC8_2 on Top Layer "TGA" (solid, pour order 53): 71.75,60.579 75.85,60.579 75.85,63.479 76.2,63.829 76.55,63.829 81.55,63.829 81.55,63.304 76.8,63.304 76.45,62.954 76.45,58.875 77.368,57.604 79.4,57.604 84.1,57.604 84.915,58.42 84.925,60.724 85.9,60.724 85.9,56.254 84.925,55.279 79.35,55.279 79.175,55.104 71.75,55.104
NetR6_1 on Top Layer "NETR6_1_L01_P002" (solid, pour order 2): 50.15,80.825 58.95,80.825 59.15,81.025 59.15,83.075 61,84.925 83.45,84.925 83.793,84.582 83.793,83.725 77.369,83.725 77.369,83.9 61.875,83.9 60.55,82.575 60.55,80.55 59.575,79.575 50.15,79.575
IN- on Top Layer "IN-_L01_P007" (solid, pour order 7): 30.575,97.225 30.575,95.825 31,95.4 37.413,95.4 40.584,98.766 44.9,98.766 44.9,98.025 46.45,98.025 46.45,98.89 48.11,98.908 48.776,98.248 48.776,95.449 49.4,94.825 50.034,94.825 50.012,97.577 49.625,98.35 49.625,99.258 48.5,100.3 39.396,100.3 36.49,97.25 33.47,97.25 33.2,97.65 31,97.65
IN+ on Top Layer "IN+_L01_P009" (solid, pour order 9): 30.975,94.95 37.686,94.95 39.898,97.279 39.776,97.149 40.75,98.175 41.75,98.175 41.75,97.279 41.921,97.279 42.15,97.05 42.15,94.175 40.275,94.175 38.95,92.85 30.975,92.85 30.564,93.261 30.564,94.539
NetC1_1 on Top Layer "NETC1_1_L01_P010" (solid, pour order 10): 40.2,91.687 40.2,89.975 44.674,89.975 45.287,90.625 48.174,90.625 49.249,91.7 49.625,91.7 49.65,92.1 cw(c52.557,92.075) 49.652,92.2 49.072,92.2 49.066,92.405 50.275,93.708 50.275,94.125 49.875,94.525 49.275,94.525 49.275,94.21 47.277,92.042 46.425,92.025 46.425,94.15 44.925,94.15 44.9,94.125 44.9,92.05 43.925,92.05 43.45,91.687
NetC2_1 on Top Layer "NETC2_1_L01_P011" (solid, remove dead copper, pour order 11): 49.925,91.7 49.975,91.7 51.067,91.7 52.816,93.65 55.625,93.65 55.625,91.95 61.949,91.95 61.949,97.35 55.9,97.35 55.9,99.271 54.7,99.271 54.7,95.514 54.093,95.075 54.075,95.075 52.5,95.075 51.378,95.075 51.378,94.328 49.925,92.694
NetD4_2 on Top Layer "NETD4_2_L01_P017" (solid, pour order 17): 50.05,77.4 53.77,77.4 55.7,77.4 56.375,78.075 56.375,79.067 59.913,79.088 61.025,80.2 61.05,80.175 65.125,80.175 65.125,74.675 60.375,74.675 58.7,76.35 56.082,76.354 50.05,76.35
+VCC_5V on Top Layer "+VCC_5V_L01_P020" (solid, pour order 20): 86.525,81.475 88.7,79.3 92.325,79.3 92.375,79.3 92.575,79.5 92.575,82.225 92.15,82.65 86.625,82.65 86.525,82.55
NetD3_1 on Top Layer "NETD3_1_L01_P026" (solid, pour order 26): 70.932,97.25 72.55,97.25 74.245,97.25 74.245,96.575 73.126,96.575 72.799,96.7 70.932,96.7
NetD5_2 on Top Layer "NETD5_2_L01_P052" (solid, pour order 52): 50.125,57.525 56.2,57.525 56.875,58.2 56.875,59.567 59.785,59.585 60.787,60.587 65.262,60.587 65.262,55.062 60.512,55.062 58.981,56.593 50.125,56.607
NetJ2_2 on Top Layer "NETJ2_2_L01_P034" (solid, pour order 34): 182.375,20.8 185.35,20.8 186.783,19.367 186.783,14.892 187.675,14 187.675,9.076 186.783,8.183 182.375,8.179
NetJ2_1 on Top Layer "NETJ2_1_L01_P036" (solid, pour order 36): 182.5,33.675 182.5,30.925 182.9,30.525 186.35,30.525 187.275,29.6 187.275,15.075 188.05,14.3 188.05,9.075 188.9,8.225 192.9,8.225 193.625,8.95 193.625,16.9 192.775,17.75 190.75,17.75 189.475,19.025 189.475,27 192.975,30.5 192.975,33.525 192.25,34.25 183.075,34.25
NetJ3_2 on Top Layer "NETJ3_2_L01_P037" (solid, pour order 37): 197,20.65 200,20.65 201.433,19.217 201.433,14.742 202.325,13.85 202.325,8.926 201.433,8.033 197,8.029
NetJ3_1 on Top Layer "NETJ3_1_L01_P038" (solid, pour order 38): 197.275,34.1 197.275,30.65 197.55,30.375 201,30.375 201.925,29.45 201.925,14.925 202.7,14.15 202.7,8.925 203.55,8.075 207.55,8.075 208,8.525 208,17.025 207.425,17.6 205.9,17.6 204.325,19.175 204.325,27.05 207.625,30.35 207.625,33.275 206.8,34.1
NetJ4_1 on Top Layer "NETJ4_1_L01_P040" (solid, pour order 40): 211.975,33.175 211.975,31 212.45,30.525 215.9,30.525 216.825,29.6 216.825,15.075 217.6,14.3 217.6,9.075 218.45,8.225 222.45,8.225 223.175,8.95 223.175,16.9 222.325,17.75 220.35,17.75 219.225,18.875 219.225,27.2 222.525,30.5 222.525,33.35 221.935,33.94 212.74,33.94
NetD6_2 on Top Layer "NETD6_2_L01_P041" (solid, pour order 41): 190.006,26.806 190.001,21.5 190.65,20.85 193.55,20.85 194.25,21.55 194.25,42.8 192.325,44.725 186.875,44.725 186.875,43.725 192.15,43.725 193.475,42.4 193.475,30.275
NetD7_2 on Top Layer "NETD7_2_L01_P042" (solid, pour order 42): 204.719,26.794 204.713,21.488 205.363,20.837 208.262,20.837 208.962,21.537 208.963,42.787 207.038,44.712 201.588,44.713 201.588,43.713 206.862,43.713 208.188,42.387 208.187,30.262
NetD8_2 on Top Layer "NETD8_2_L01_P043" (solid, pour order 43): 219.456,26.856 219.451,21.55 220.1,20.9 223,20.9 223.7,21.6 223.7,42.85 221.775,44.775 216.325,44.775 216.325,43.775 221.6,43.775 222.925,42.45 222.925,30.325
NetR24_2 on Top Layer "NETR24_2_L01_P044" (solid, pour order 44): 181.975,21.1 185.45,21.1 186.85,22.5 186.85,29.2 185.975,30.075 182.525,30.075 181.9,30.7 181.9,33.85 182.85,34.8 186.725,34.8 191.025,39.1 191.025,39.95 190.025,39.95 186.075,36 181.8,36 180.725,34.925 180.725,22.35
NetR29_2 on Top Layer "NETR29_2_L01_P045" (solid, pour order 45): 196.65,21.062 200.125,21.062 201.5,22.437 201.5,29.125 200.65,29.975 197.262,29.975 196.65,30.587 196.65,34.213 197.062,34.625 202.087,34.625 206.325,38.862 206.325,39.75 205.525,39.75 201.738,35.963 196.475,35.963 195.4,34.887 195.4,22.313
NetR32_2 on Top Layer "NETR32_2_L01_P046" (solid, pour order 46): 211.5,21.175 214.975,21.175 216.425,22.625 216.425,29.25 215.575,30.1 212.1,30.1 211.425,30.775 211.425,33.35 212.425,34.35 215.725,34.35 220.25,38.875 220.25,39.875 219.4,39.875 215.6,36.075 211.325,36.075 210.25,35 210.25,22.425
+VCC_12V on Top Layer "+VCC_12V_L01_P047" (solid, pour order 47): 205.825,42.325 205.825,40.75 206.9,39.675 206.9,38.75 204.6,36.45 204.6,34.875 205.125,34.35 206.475,34.35 206.9,34.775 206.9,35.775 207.725,36.6 207.725,39.95 206.825,40.85 206.825,42.325
+VCC_12V on Top Layer "+VCC_12V_L01_P048" (solid, pour order 48): 190.475,42.35 190.475,41.15 191.625,40 191.625,39.075 189.325,36.775 189.325,35.2 189.85,34.675 191.2,34.675 191.625,35.1 191.625,36.1 192.45,36.925 192.45,40.275 191.55,41.175 191.55,42.35
+VCC_12V on Top Layer "+VCC_12V_L01_P049" (solid, pour order 49): 219.75,42.4 219.75,40.825 220.825,39.75 220.825,38.825 218.525,36.525 218.525,34.95 219.05,34.425 220.4,34.425 220.825,34.85 220.825,35.85 221.65,36.675 221.65,40.025 220.75,40.925 220.75,42.4
GND on Bottom Layer "GND_L02_P070" (solid, pour order 70): 21.675,130.35 231.65,130.35 231.65,0.375 21.675,0.375
GND on Bottom Layer "GND_L02_P033" (solid, pour order 33): 36.075,13.55 36.075,9.925 37.15,8.85 173.191,8.85 173.191,10.92 167.899,10.924 167.25,11.573 167.25,13.975 166.75,14.475 164.35,14.475 163.85,13.975 163.85,11.575 163.198,10.924 152.851,10.924 152.076,11.7 152.076,13.849 151.45,14.475 149.3,14.475 148.525,13.7 148.525,11.55 147.899,10.925 137.324,10.926 136.715,11.525 136.677,13.948 136.142,14.475 134.075,14.475 133.5,13.9 133.5,11.525 132.9,10.925 119.95,10.925 119.025,11.85 119.025,13.8 118.45,14.375 116.5,14.375 115.9,13.775 115.9,11.625 115.2,10.925 104.95,10.925 103.9,11.975 103.9,13.825 103.25,14.475 101.25,14.475 100.425,13.65 100.425,11.6 99.75,10.925 89.6,10.925 88.75,11.775 88.75,13.575 87.85,14.475 86.05,14.475 85.2,13.625 85.2,11.825 84.3,10.925 55.575,10.925 54.675,11.825 54.675,13.75 54.2,14.225 51.975,14.225 51.5,13.75 51.5,12.425 50,10.925 40.825,10.925 39.45,12.3 39.45,13.55 38.625,14.375 36.9,14.375
+VCC_12V on Bottom Layer "+VCC_12V_L02_P060" (solid, pour order 60): 64.069,52.131 64.969,52.131 65.425,51.675 65.425,34.225 66.775,32.875 177.225,32.875 180.675,36.325 220.356,36.325 220.831,35.843 220.818,34.841 220.625,34.65 181.19,34.65 177.709,31.281 66.019,31.281 63.55,33.75 63.55,51.612
no net on Bottom Layer "NONET_L02_P061" (solid, pour order 61): 62.9,52.175 62.95,52.225
+VCC_5V on Bottom Layer "+VCC_5V_L02_P022" (solid, pour order 22): 91.425,65.375 62.875,65.375 62.125,64.625 62.125,38.575 62.125,30 62.675,29.45 63.875,29.45 64.25,29.075 64.25,27.875 63.85,27.475 60.825,27.475 59.675,28.625 59.675,35.7 58.8,36.575 48.777,36.575 48.225,37.121 48.225,38.1 48.702,38.575 58.525,38.575 59.675,39.725 59.675,66.375 61.269,67.969 88.969,67.969 89.725,68.738 89.725,114.85 89.4,115.175 89.4,116.925 90.15,117.675 93.325,117.675 93.85,117.15 93.85,114.6 94.475,113.975 125.2,113.975 125.2,116.6 126.175,117.575 135.6,117.575 136.425,116.75 136.425,112.025 135.575,111.175 93.4,111.175 92.6,110.375 92.6,66.55

## Silkscreen, mask and mechanical layers (free items; w line width, h text height)
Top Overlay:
  lines w0.254: 103.775,73.435 103.775,109.425 167.275,109.425 ; 103.825,73.425 167.325,73.425 ; 167.35,73.435 167.35,109.425 ; 178.675,50.575 226.025,50.575 226.025,120.525 178.675,120.525 178.675,50.625 ; 32.35,105.25 80.2,105.25 80.2,120.65 32.35,120.65 32.35,105.25
  text "GND" at 87.071,121.679 h1.22 r90
  text "+5V" at 92.371,121.679 h1.22 r90
  text "GND" at 96.821,121.679 h1.22 r90
  text "MOSI_1" at 102.317,121.679 h1.22 r90
  text "MISO_1" at 107.767,121.679 h1.22 r90
  text "SCL_1" at 112.792,121.679 h1.22 r90
  text "CS_1" at 117.767,121.679 h1.22 r90
  text "GND" at 122.671,121.679 h1.22 r90
  text "+5V" at 127.671,121.679 h1.22 r90
  text "+5V" at 136.721,121.679 h1.22 r90
  text "GND" at 141.796,121.679 h1.22 r90
  text "MOSI_3" at 146.192,121.679 h1.22 r90
  text "MISO_3" at 151.192,121.679 h1.22 r90
  text "SCK_3" at 156.433,121.679 h1.22 r90
  text "CS_3" at 161.417,121.679 h1.22 r90
  text "GND" at 166.671,121.679 h1.22 r90
  text "RX1" at 171.996,121.679 h1.22 r90
  text "TX1" at 177.321,121.679 h1.22 r90
  text "INDUSTRIAL INSTRUMENTATION" at 34.625,117.15 h3
  text "CLK" at 187.371,114.854 h1.22 r90
  text "DIO" at 190.071,114.854 h1.22 r90
  text "GND" at 192.521,114.854 h1.22 r90
  text "3.3V" at 195.321,114.854 h1.22 r90
  text "IOT LABORATORY" at 34.6,114.1 h3
  text "COMMUNICATION" at 199.45,113.494 h3
  text "WQ AI_EDGE STATION V1.0" at 34.6,109.849 h2
  text "Desginer: Nguyen Duc Duy" at 34.625,107.1 h1.52
  text "PSOC EDGE E84 AI KIT" at 101.787,73.6 h3 r90
  text "+3.3V" at 217.229,68.479 h1.22
  text "DIO" at 144.596,66.629 h1.22 r90
  text "GND" at 147.096,66.554 h1.22 r90
  text "CLK" at 141.896,66.529 h1.22 r90
  text "TX" at 217.229,65.779 h1.22
  text "3.3V" at 150.121,65.454 h1.22 r90
  text "GND" at 159.546,63.329 h1.22 r90
  text "RX" at 217.229,63.329 h1.22
  text "SDA" at 164.421,63.279 h1.22 r90
  text "SCL" at 161.821,63.129 h1.22 r90
  text "3.3V" at 156.896,62.254 h1.22 r90
  text "GND" at 217.229,60.529 h1.22
  text "START" at 149,37.612 h1.52
  text "EMERGENCY" at 160.825,37.612 h1.52
  text "+5V" at 31.704,7.246 h1.22 r270
  text "GND" at 37.029,7.246 h1.22 r270
  text "TX2" at 42.354,7.246 h1.22 r270
  text "RX2" at 47.404,7.246 h1.22 r270
  text "GND" at 52.388,7.246 h1.22 r270
  text "+3.3V" at 57.629,7.246 h1.22 r270
  text "+3.3V" at 62.629,7.246 h1.22 r270
  text "+12V" at 67.229,7.246 h1.22 r270
  text "ADC_1" at 81.358,7.221 h1.22 r270
  text "GND" at 86.479,7.221 h1.22 r270
  text "+5V" at 91.804,7.221 h1.22 r270
  text "ADC_2" at 97.058,7.221 h1.22 r270
  text "GND" at 101.838,7.221 h1.22 r270
  text "+5V" at 107.079,7.221 h1.22 r270
  text "ADC_3" at 112.283,7.221 h1.22 r270
  text "GND" at 116.679,7.221 h1.22 r270
  text "+12V" at 72.304,7.046 h1.22 r270
  text "+5V" at 121.754,7.021 h1.22 r270
  text "ADC_4" at 129.808,6.971 h1.22 r270
  text "GND" at 134.929,6.971 h1.22 r270
  text "+5V" at 140.254,6.971 h1.22 r270
  text "ADC_5" at 145.508,6.971 h1.22 r270
  text "GND" at 150.288,6.971 h1.22 r270
  text "+5V" at 155.529,6.971 h1.22 r270
  text "ADC_6" at 160.733,6.971 h1.22 r270
  text "GND" at 165.129,6.971 h1.22 r270
  text "C1_IN" at 185.085,6.919 h1.22 r270
  text "C1_OT" at 190.069,6.919 h1.22 r270
  text "C2_IN" at 199.51,6.919 h1.22 r270
  text "C2_OT" at 204.51,6.919 h1.22 r270
  text "C3_IN" at 215.085,6.919 h1.22 r270
  text "C3_OT" at 220.16,6.919 h1.22 r270
  text "+5V" at 170.204,6.771 h1.22 r270

## Text inside footprints (layer, text, board x,y; h text height)
D6: Mechanical 13 "1" at 190.975,44.409 h1 r90; Mechanical 13 "2" at 190.975,41.869 h1 r90
D7: Mechanical 13 "1" at 206.325,44.459 h1 r90; Mechanical 13 "2" at 206.325,41.919 h1 r90
D8: Mechanical 13 "1" at 220.225,44.434 h1 r90; Mechanical 13 "2" at 220.225,41.894 h1 r90
L3: Mechanical 13 "*" at 76.333,40.15 h1